# Altium PCB ALCT_MEZ_LX100.PcbDoc (part 1 of 10) (continued)
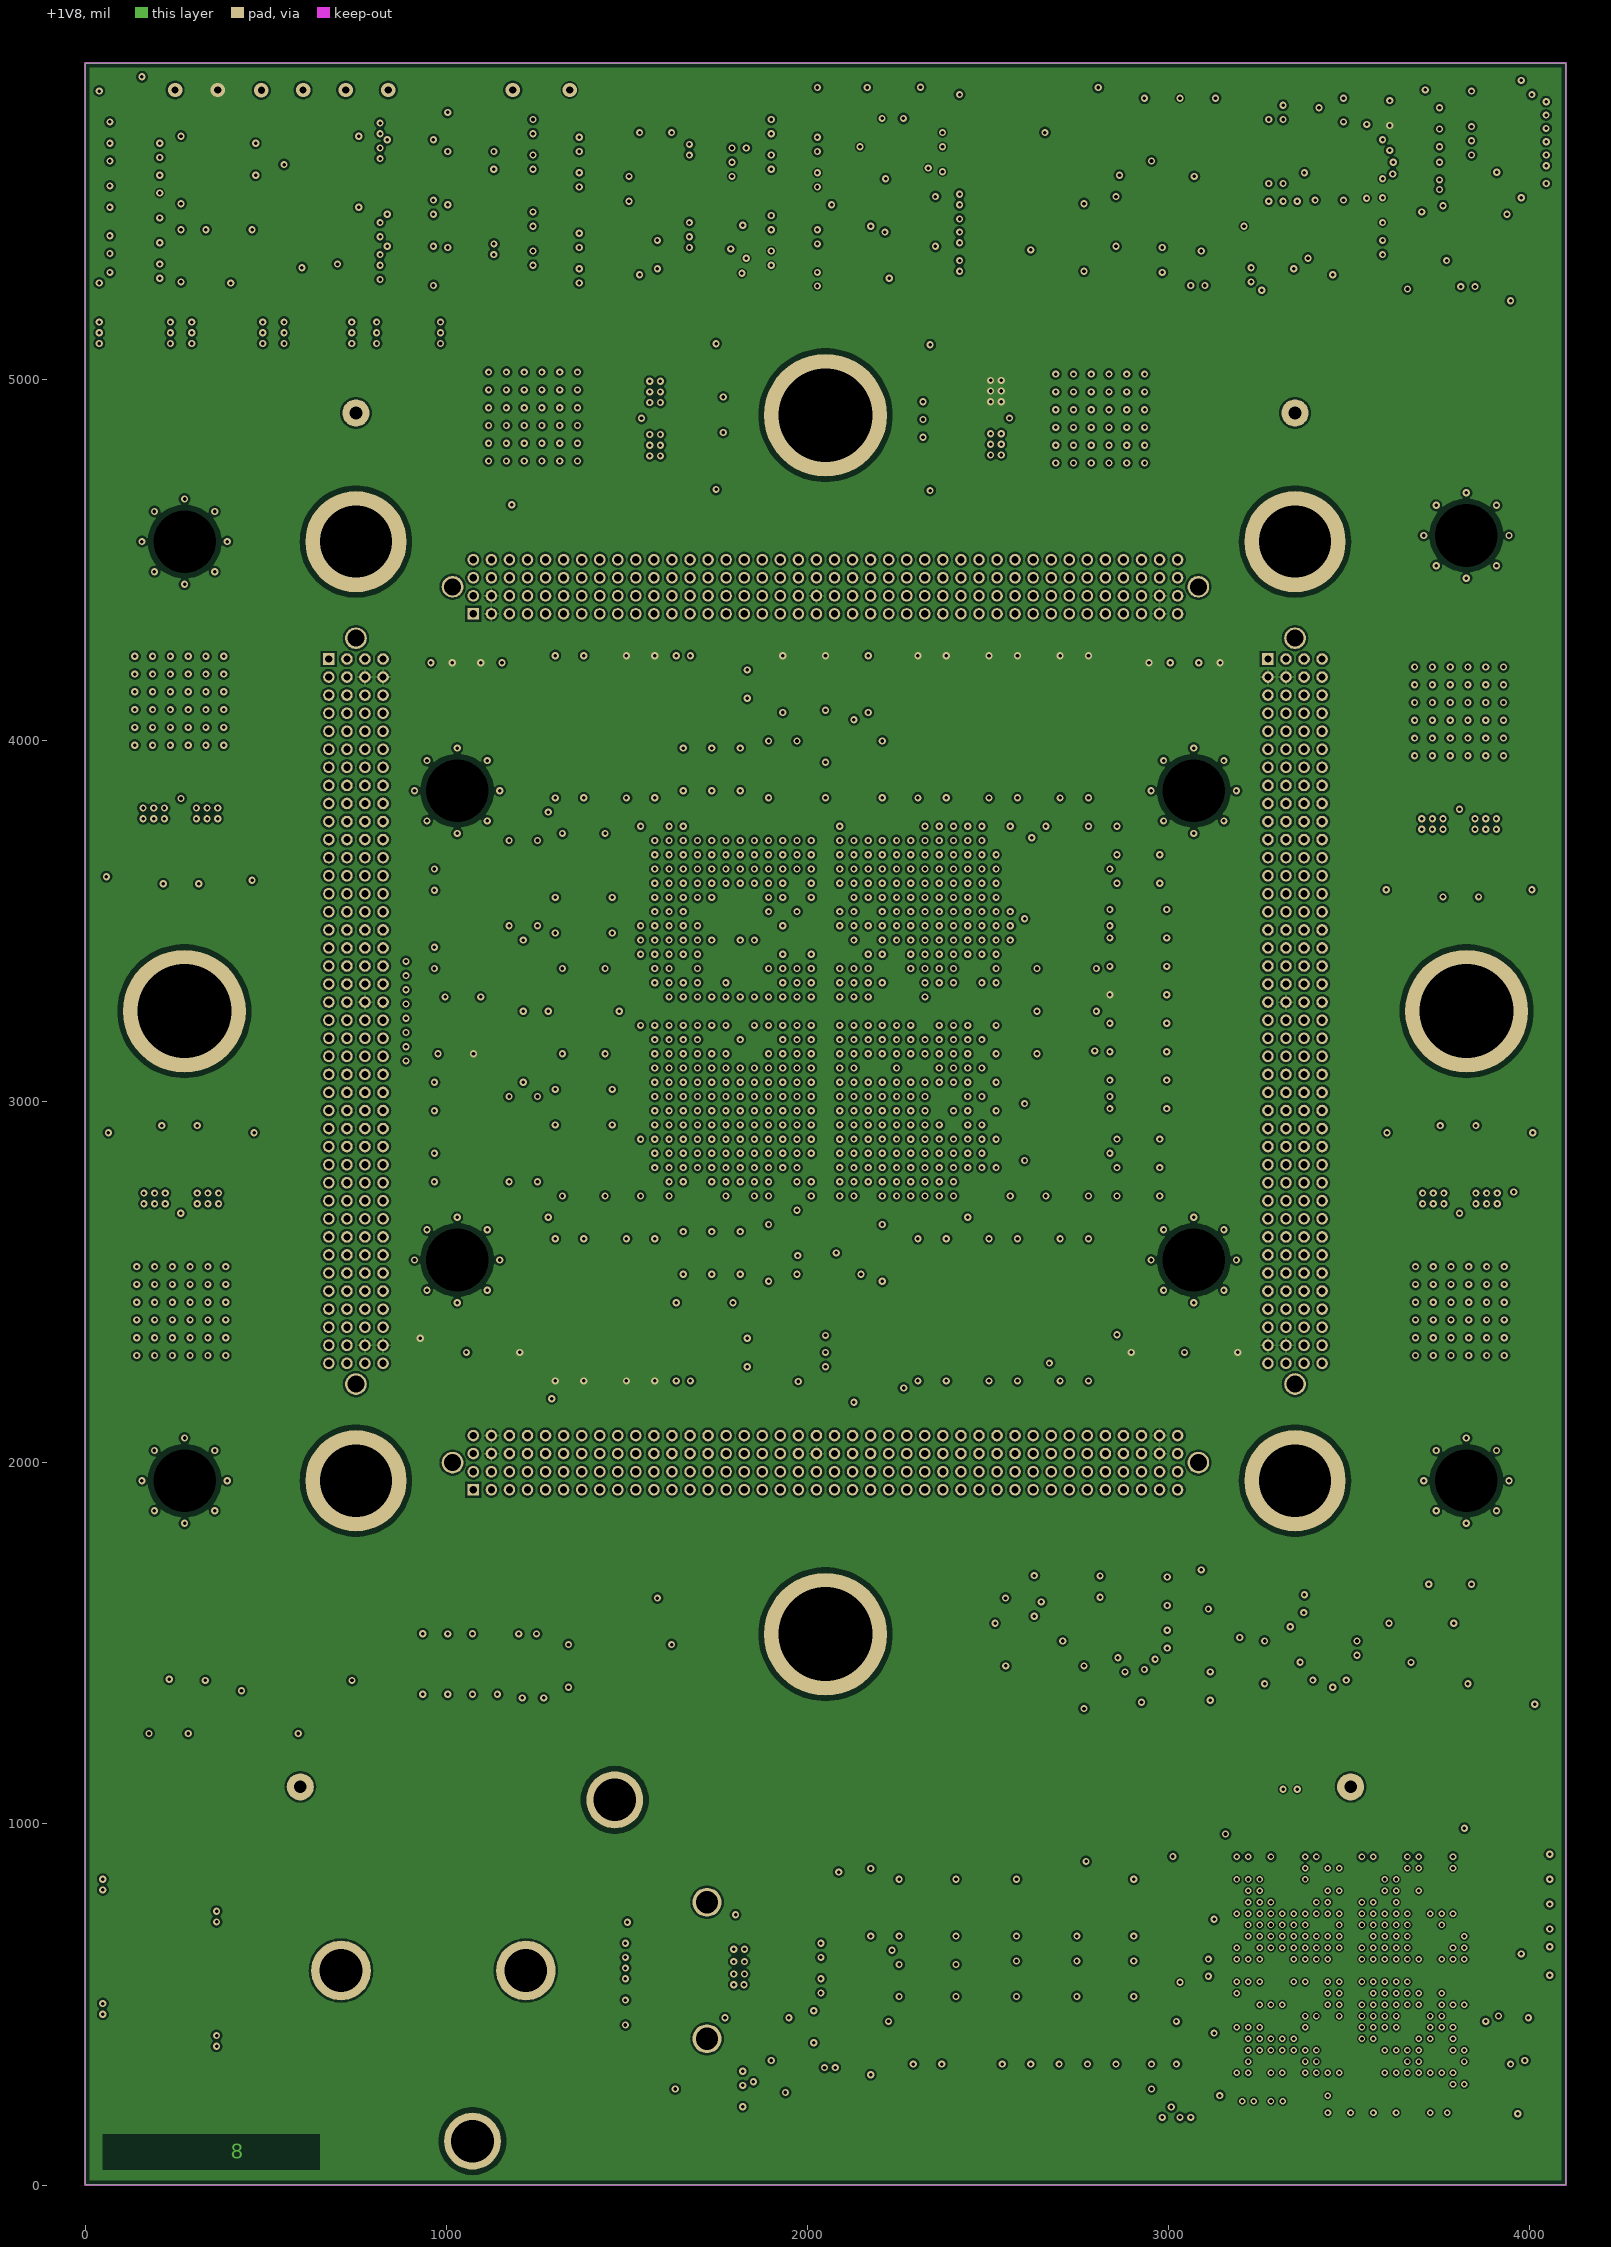
[diagram p8: +1V8]
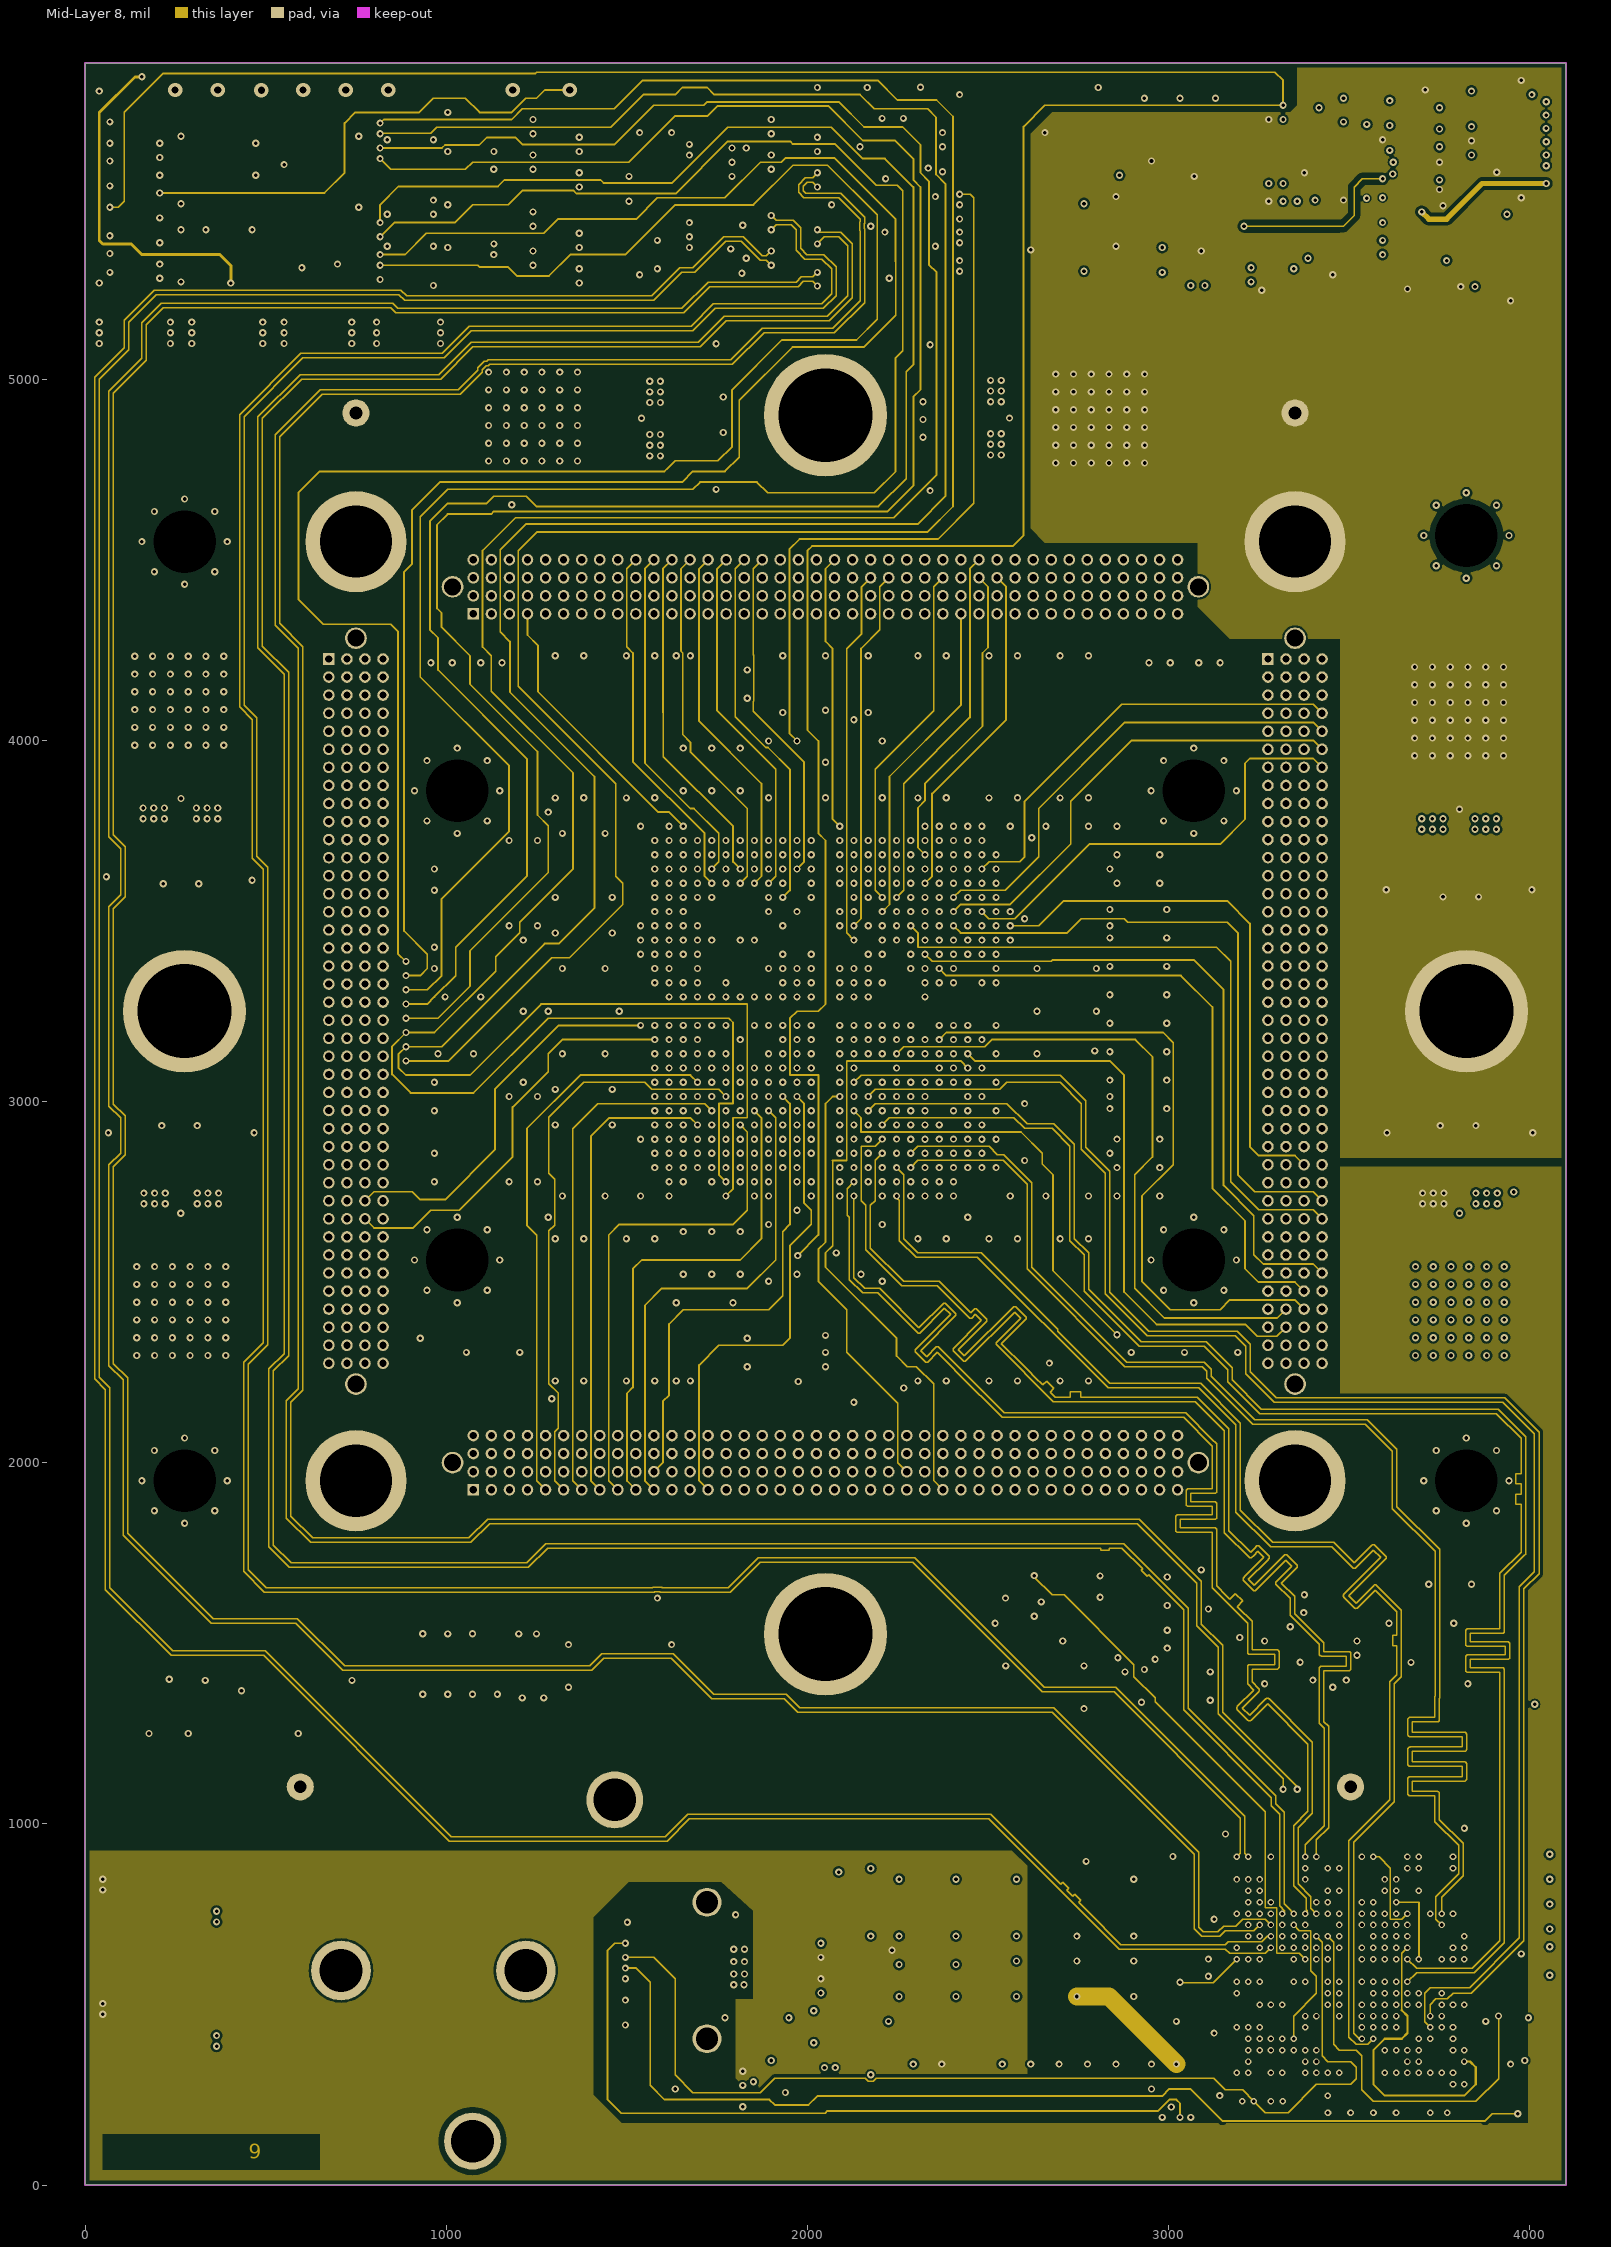
[diagram p9: Mid-Layer 8]
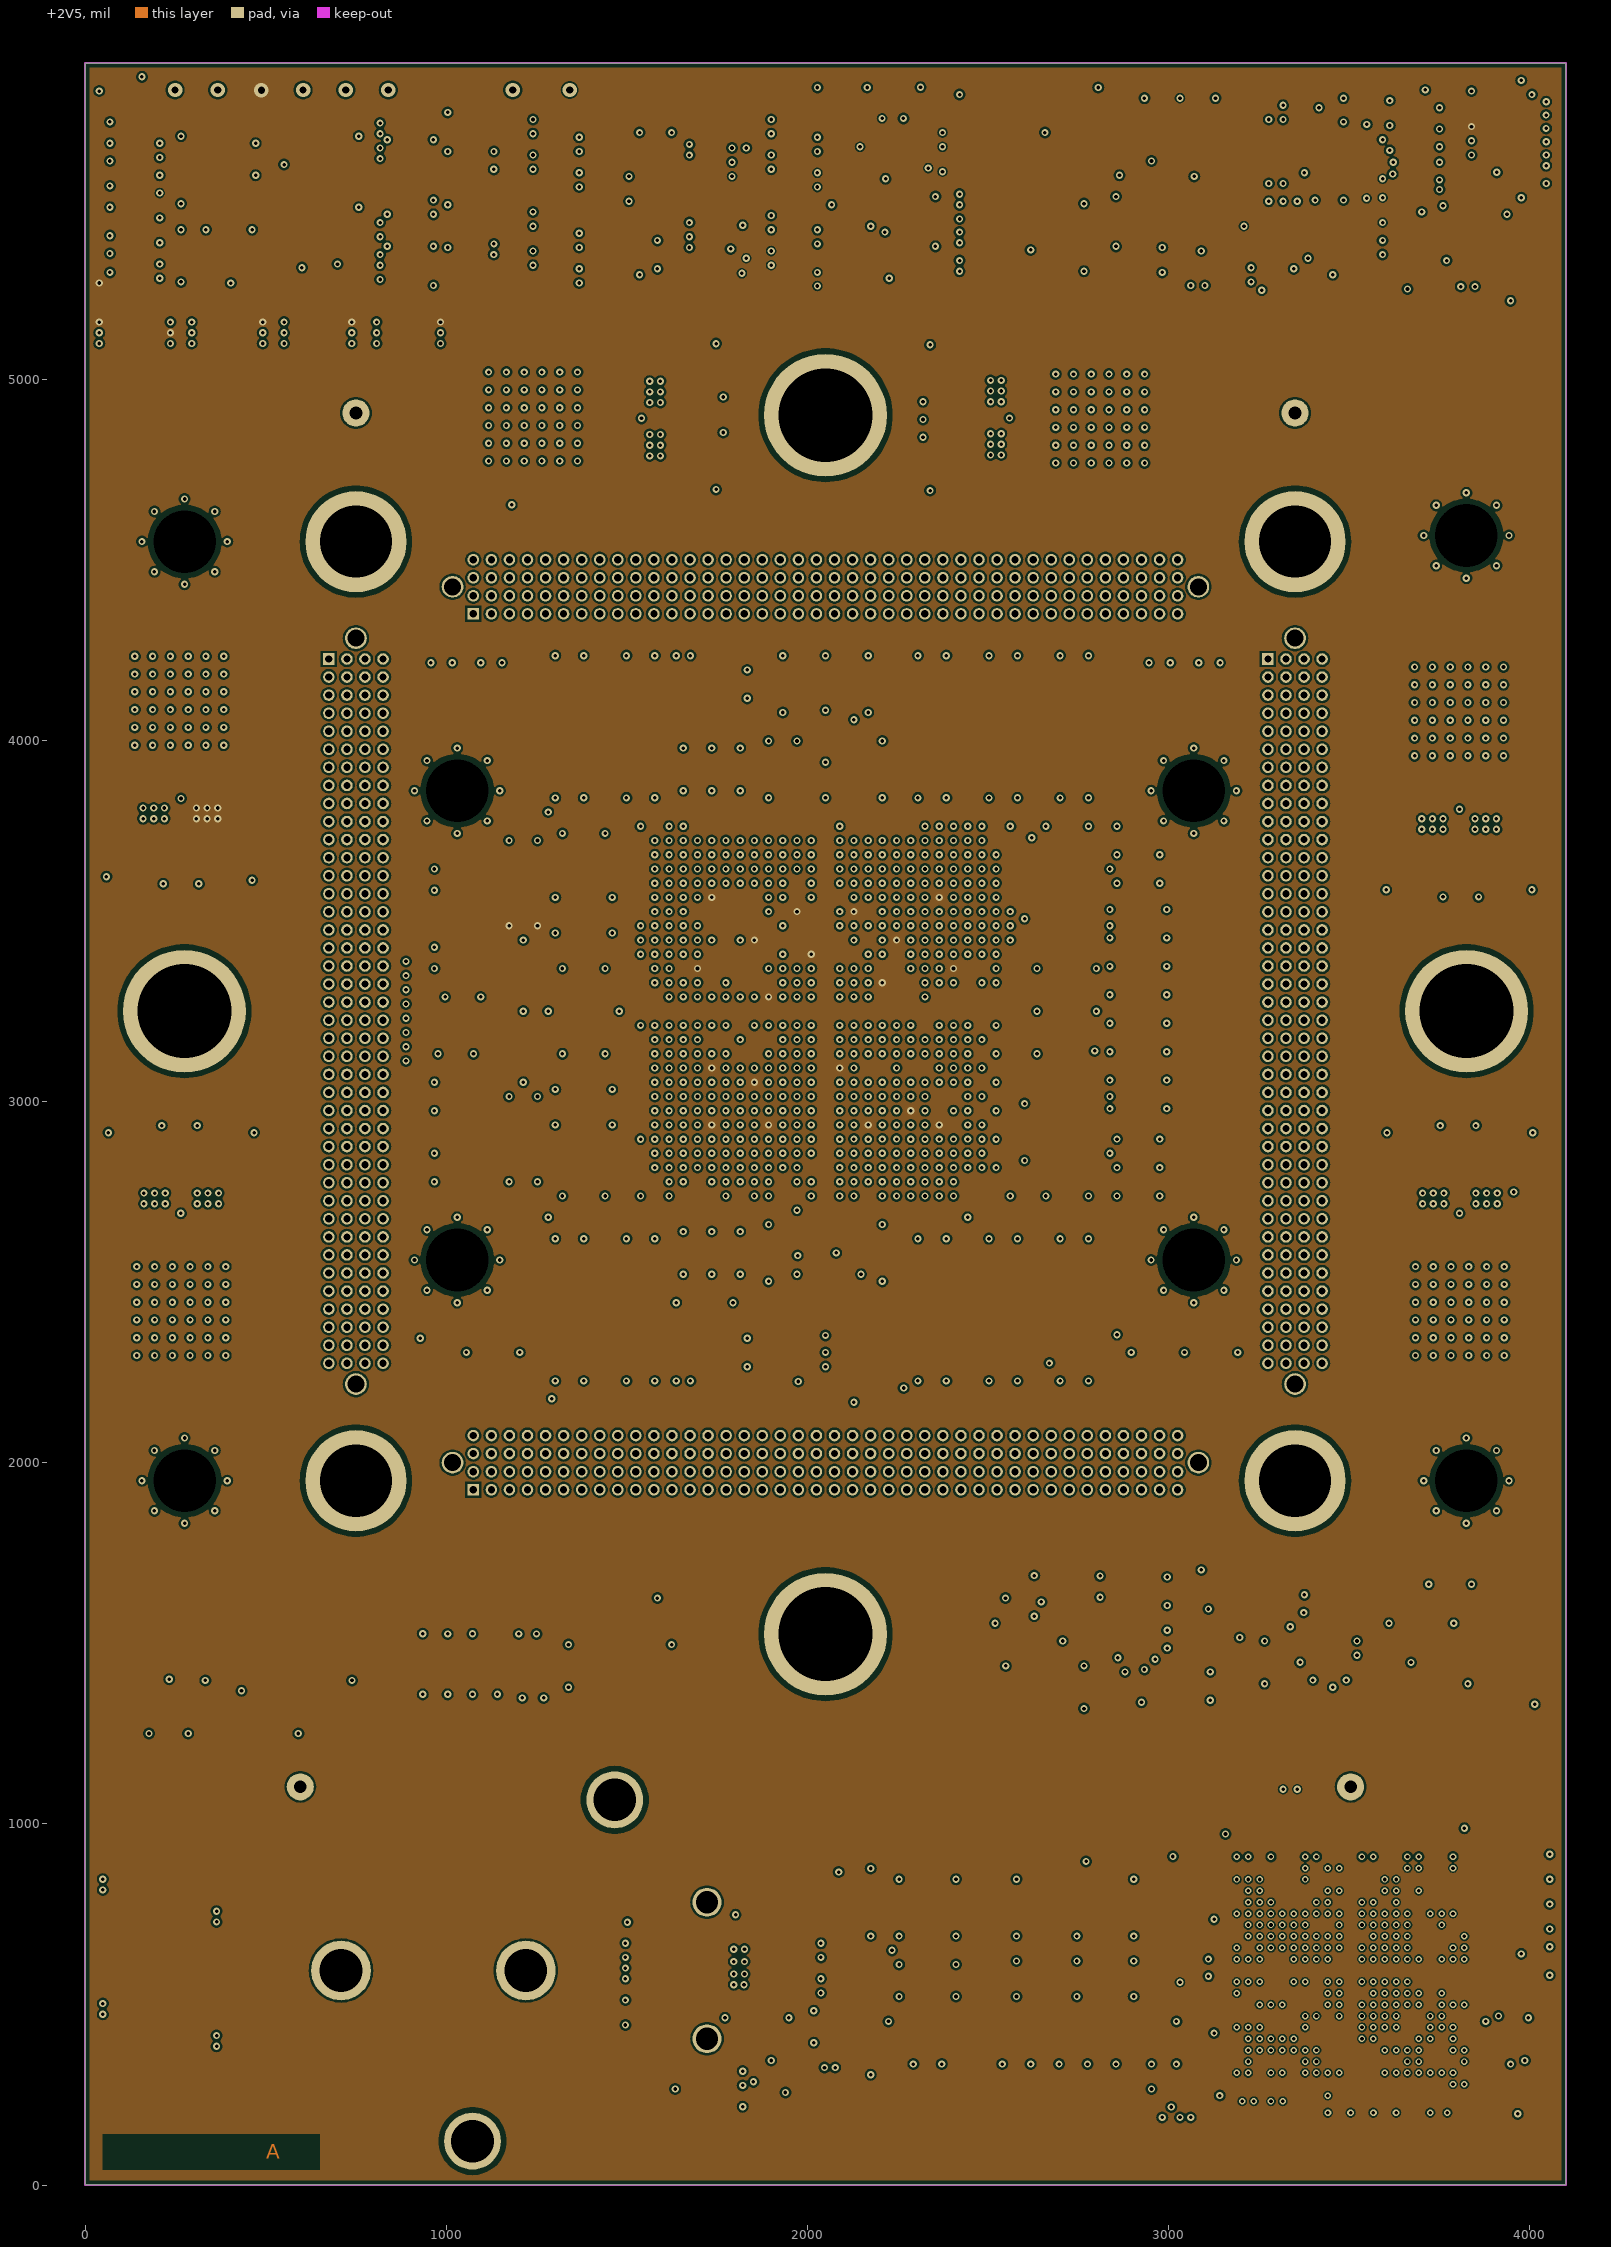
[diagram p10: +2V5]